# Altium PCB PCB1.PcbDoc (part 2 of 2)
Units mil, origin at the board's own origin, x right, y up, seen from the top; angles counter-clockwise.
Board outline 5910 x 3111 mil, 2 copper layers (Top Layer, Bottom Layer); 174 components, 168 nets, 751 pads, 589 vias.
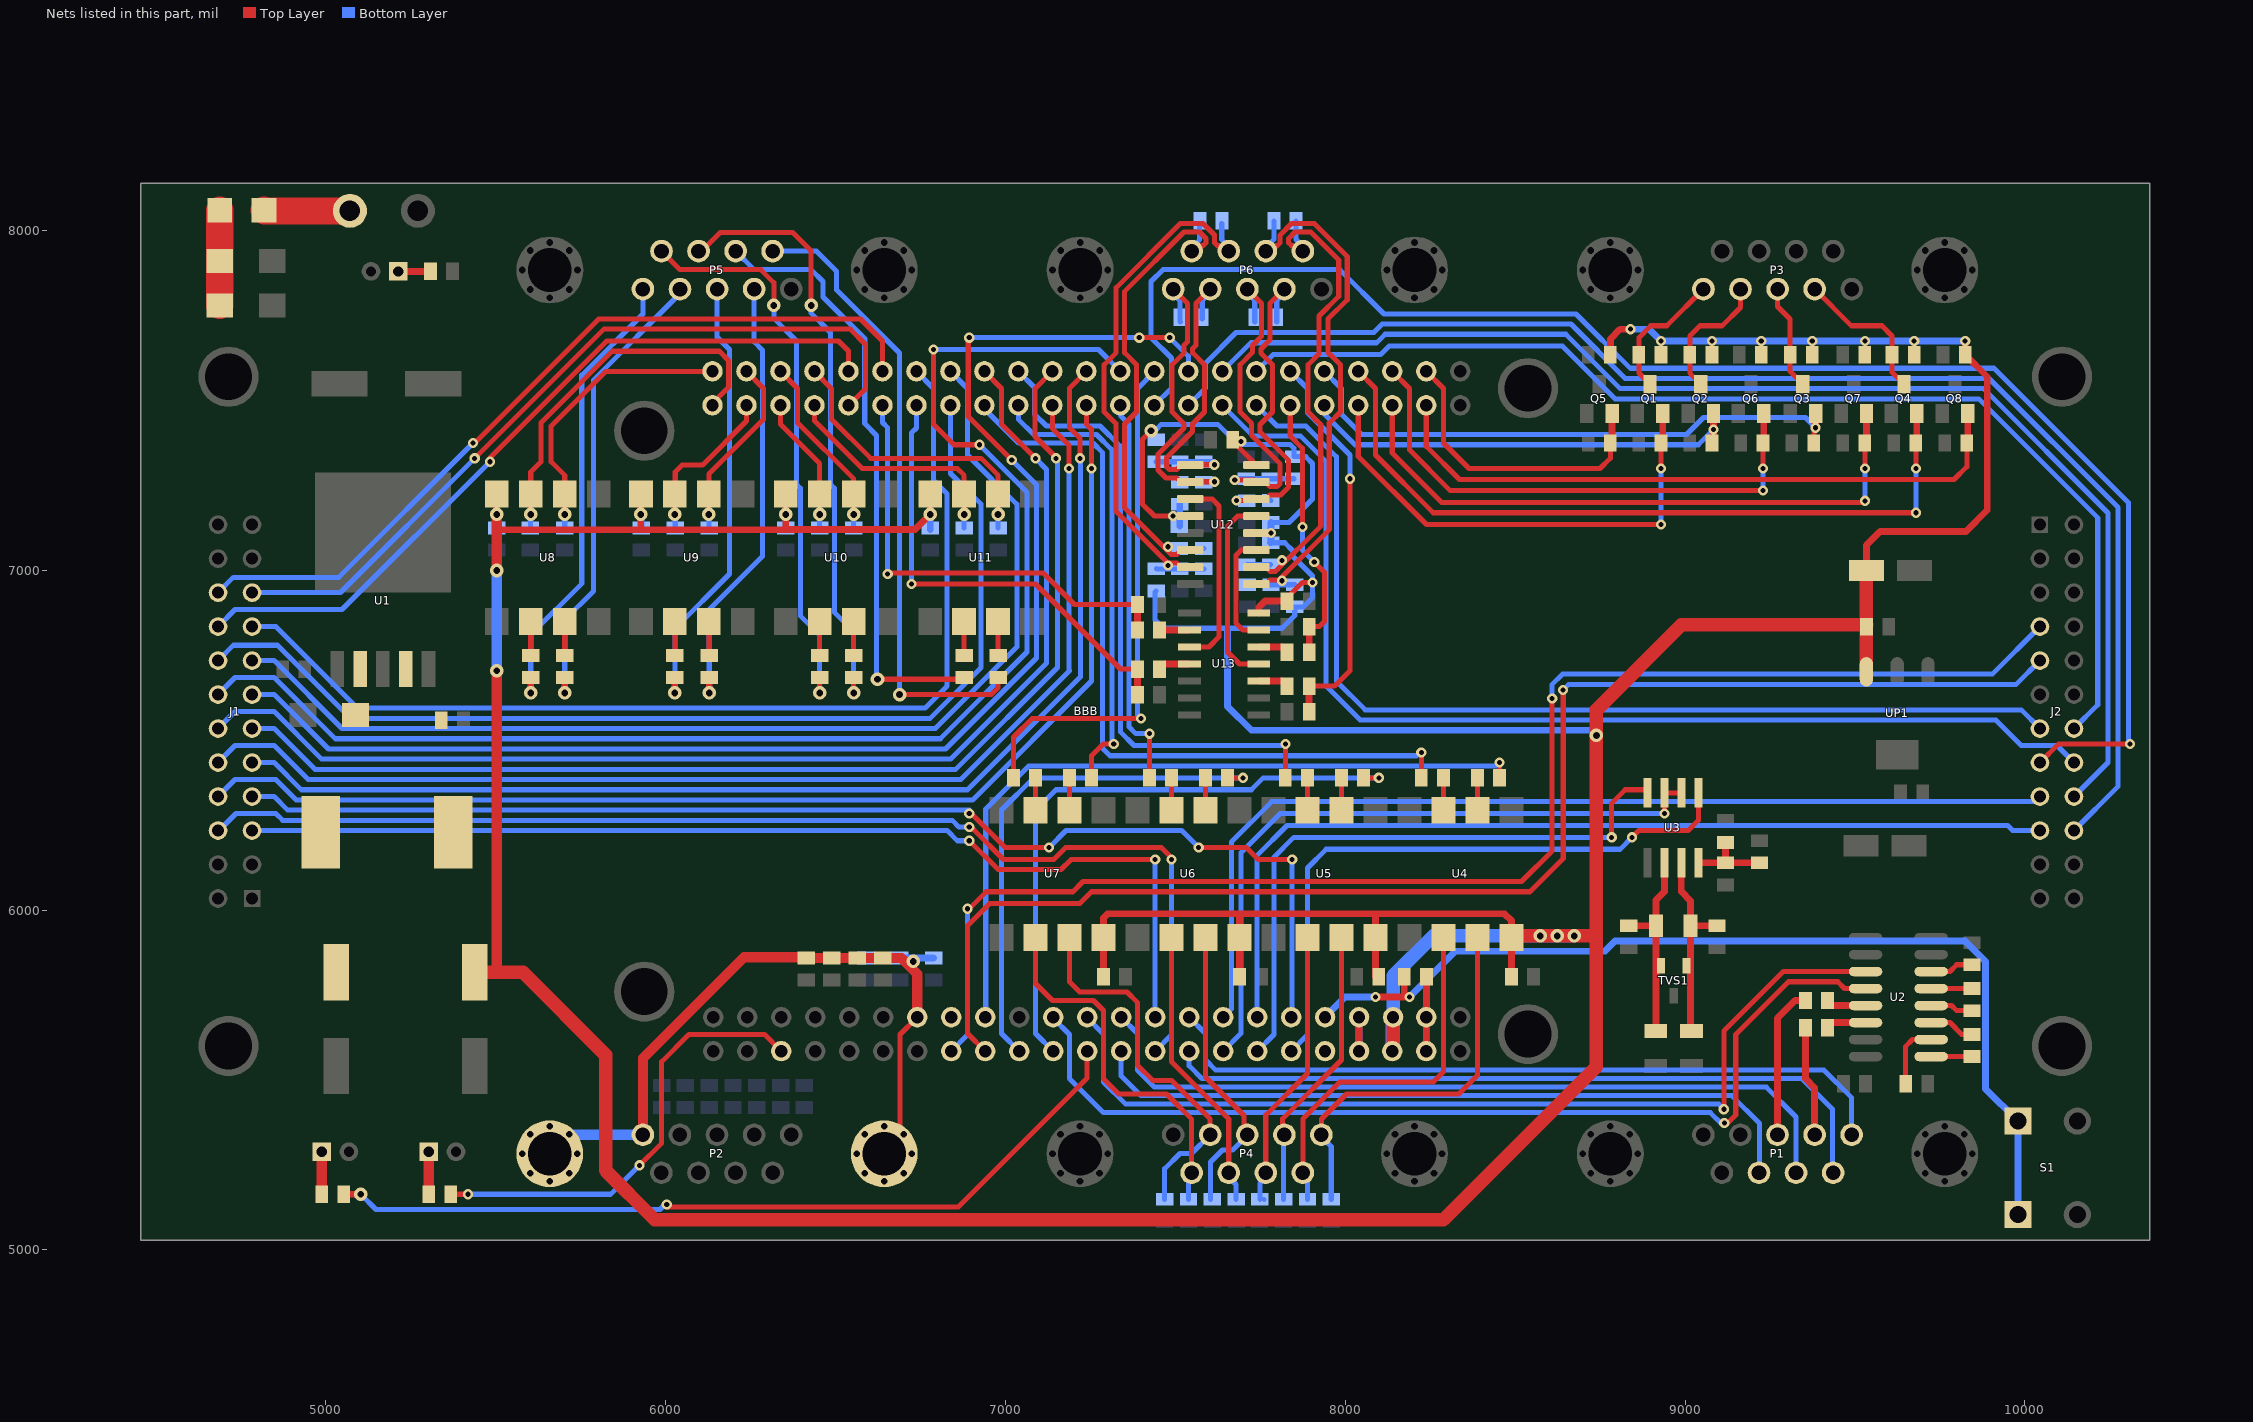
[diagram p2: the nets of this part, all layers, seen from the top]

## Via types
v1: diameter 30, hole 15, Top Layer to Bottom Layer, tented both sides, 549 vias
v2: diameter 40, hole 20, Top Layer to Bottom Layer, tented both sides, 40 vias

## Nets (pads, with @x,y where several pads share a name; then routed paths per layer and width w, separated by ;. In a path a pad name is that pad's centre, name@x,y a point inside that pad or via, vN(x,y) a via of type N, cw(c..) or ccw(c..) an arc to the next point about the centre after c; other vN are vias at no path point) (continued)
ENC1_A_N: C28.2 P6.7 R72.2 R79.2 R80.2 U12.7 | length 1658.4
  Top Layer w15: U12.7@7544,7009 7517.03,7009 7504.53,7021.5 7477.37,7021.5 7325.62,7173.24 7325.62,7430.7 7291,7465.32 7291,7604.68 7326.27,7639.94 7326.27,7830.77 7515.07,8019.58 7581.98,8019.58 7615.56,7986.01 7615.56,7963.22 7624.34,7954.44 7628.01,7954.44 7643.64,7938.81 P6.7@7657.58,7938.81
  Bottom Layer w15: R79.2@7445,7004.04 7445.04,7004 C28.2@7584,7004 ; R72.2@7636.84,8020.35 7636.84,7972.26 7657.58,7951.52 P6.7@7657.58,7938.81
  other v1: 7479,7014
ENC1_A_P: C27.1 P6.6 R72.1 R78.2 U12.6 | length 1468.1
  Top Layer w15: U12.6@7544,7059 7517.03,7059 7504.53,7046.5 7487.72,7046.5 7350.62,7183.6 7350.62,7429.95 7386,7465.32 7386,7604.68 7351.27,7639.41 7351.27,7820.42 7525.43,7994.58 7571.63,7994.58 7590.56,7975.65 7590.56,7963.22 7581.77,7954.44 7578.1,7954.44 7562.47,7938.81 P6.6@7548.53,7938.81
  Bottom Layer w15: R78.2@7512.3,7063.66 7512.63,7064 C27.1@7584,7064 ; P6.6@7548.53,7938.81 7548.53,7948.9 7571.88,7972.26 R72.1@7571.88,8020.35
  other v1: 7479,7069
ENC1_B: U12.3 U13.3 | length 577.7
  Top Layer w15: U13.3@7542,6774 7599,6774 7629,6804 7629,7189 7609,7209 U12.3@7544,7209
ENC1_B_N: C25.1 P6.2 R71.1 R75.2 R76.2 U12.1 | length 1031.3
  Top Layer w15: P6.2@7603.06,7827 7561.03,7784.97 7561.03,7661.76 7551.18,7651.92 7551.18,7639.49 7586,7604.68 7586,7465.32 7550.87,7430.2 7550.87,7407.67 7474.1,7330.91 7474.1,7305.29 7482.89,7296.5 7504.53,7296.5 7517.03,7309 U12.1@7544,7309 7545,7310 v1(7615,7310)
  Bottom Layer w15: R76.2@7444,7319 R75.2@7514,7319 C25.1@7584,7319 7614,7319 7615,7318 v1(7615,7310) ; R71.1@7579.46,7739 7579.46,7792.45 7603.06,7816.04 P6.2@7603.06,7827
ENC1_B_P: C26.2 P6.1 R71.2 R77.2 U12.2 | length 1003.3
  Top Layer w15: P6.1@7494,7827 7536.03,7784.97 7536.03,7672.12 7526.18,7662.27 7526.18,7639.86 7491,7604.68 7491,7465.32 7525.87,7430.45 7525.87,7418.03 7449.1,7341.26 7449.1,7294.93 7472.53,7271.5 7504.53,7271.5 7517.03,7259 U12.2@7544,7259 7545,7260 v1(7615,7260)
  Bottom Layer w15: P6.1@7494,7827 7494,7813.05 7514,7793.05 7514,7731.77 R71.2@7515.5,7730.28 ; R77.2@7513.5,7258.5 7514,7259 C26.2@7584,7259 7585,7260 v1(7615,7260)
ENC2_A: U12.13 U13.11 | length 573.8
  Top Layer w15: U12.13@7738.88,7159 7684,7159 7654,7129 7654,6759 7689,6724 U13.11@7746,6724
ENC2_A_N: C32.1 P6.3 R74.1 R85.2 R86.2 U12.15 | length 1090.5
  Top Layer w15: v1(7675,7265) 7732.88,7265 U12.15@7738.88,7259 7765.85,7259 7778.35,7246.5 7799.99,7246.5 7808.78,7255.29 7808.78,7312.71 7724.35,7397.14 7724.35,7431.97 7691,7465.32 7691,7604.68 7727.17,7640.84 7727.17,7661.29 7754.14,7688.26 7754.14,7784.97 P6.3@7712.11,7827
  Bottom Layer w15: v1(7675,7265) 7679,7269 C32.1@7709,7269 R85.2@7849,7269 ; P6.3@7712.11,7827 7712.11,7814.14 7733.81,7792.45 R74.1@7733.81,7730.28
ENC2_A_P: C31.2 P6.4 R74.2 R84.2 U12.14 | length 1056.4
  Top Layer w15: v1(7680,7205) 7734.88,7205 U12.14@7738.88,7209 7765.85,7209 7778.35,7221.5 7810.35,7221.5 7833.78,7244.93 7833.78,7323.07 7749.35,7407.5 7749.35,7428.71 7758.14,7437.5 ; 7758.18,7437.5 7786,7465.32 7786,7604.68 7752.17,7638.51 7752.17,7650.94 7779.14,7677.91 7779.14,7784.97 P6.4@7821.17,7827
  Bottom Layer w15: v1(7680,7205) 7702.36,7205 7706.36,7209 C31.2@7710.79,7204.57 7780.8,7204.57 R84.2@7781.49,7205.25 ; R74.2@7798.77,7730.28 7798.77,7792.45 7821.17,7814.84 P6.4@7821.17,7827
ENC2_B: U12.11 U13.13 | length 341.4
  Top Layer w15: U12.11@7738.88,7059 7694,7059 7679,7044 7679,6844 7699,6824 U13.13@7746,6824
ENC2_B_N: C29.2 P6.8 R73.2 R82.2 R83.2 U12.9 | length 1702.5
  Top Layer w15: U12.9@7738.88,6959 7765.85,6959 7778.35,6971.5 7805.52,6971.5 7953.16,7119.14 7953.16,7432.48 7986,7465.32 7986,7604.68 7958.18,7632.5 7956.85,7632.5 7949,7640.35 7949,7738.63 8005.99,7795.62 8005.99,7922.74 7909.15,8019.58 7842.24,8019.58 7808.67,7986.01 7808.67,7963.22 7799.88,7954.44 7796.21,7954.44 7780.58,7938.81 P6.8@7766.64,7938.81
  Bottom Layer w15: C29.2@7711.63,6957.01 R83.2@7781.63,6957.01 R82.2@7851.63,6957.01 ; P6.8@7766.64,7938.81 7766.64,7949.63 7790.37,7973.37 R73.2@7790.37,8027.69
  other v1: 7814,6969
ENC2_B_P: C30.1 P6.9 R73.1 R81.2 U12.10 | length 1506.5
  Top Layer w15: U12.10@7738.88,7009 7765.85,7009 7778.35,6996.5 7795.16,6996.5 7928.16,7129.5 7928.16,7428.71 7919.37,7437.5 7918.82,7437.5 7891,7465.32 7891,7604.68 7923.06,7636.74 7923.06,7748.05 7980.99,7805.97 7980.99,7912.38 7898.79,7994.58 7852.59,7994.58 7833.67,7975.65 7833.67,7963.22 7842.45,7954.44 7846.12,7954.44 7861.75,7938.81 P6.9@7875.69,7938.81
  Bottom Layer w15: C30.1@7710.79,7016.11 7780.06,7016.11 R81.2@7780.57,7015.6 ; R73.1@7855.33,8027.69 7855.33,7973.12 7875.69,7952.76 P6.9@7875.69,7938.81
  other v1: 7814,7029
GND_ADC: BBB.9_34 P2.5 P2.10 P2.11 R15.1 R16.1 R17.1 R18.1 R19.1 R20.1 R21.1 | length 2240.3
  Top Layer w15: P2.10@6643.82,5283.09 6690,5329.28 6690,5634 BBB.9_34@6741,5685
  Top Layer w30: P2.5@5933.78,5339 5934,5339.22 5934,5564 6231.17,5861.17 6411.79,5861.17 R16.1@6414,5858.96 R15.1@6489,5858.96 R18.1@6564,5858.96 R20.1@6639,5858.96 ; R20.1@6640.38,5858.96 6694.04,5858.96 6741,5812 BBB.9_34@6741,5685
  Bottom Layer w20: R17.1@6589,5858.96 R21.1@6689,5858.96 R19.1@6789,5858.96
  Bottom Layer w30: P2.11@5659.96,5283.09 5715.87,5339 P2.5@5933.78,5339
  other v2: 6729,5849
"GPIO0_10 (DIO-D5)": BBB.8_31 J1.16 | length 3223.3
  Bottom Layer w15: J1.16@4684,6734 4729,6779 4859,6779 5074,6564 6779,6564 6929,6714 6929,7194 6838.5,7284.5 BBB.8_31@6838.5,7485
"GPIO0_11 (DIO-A5)": BBB.8_32 J1.15 | length 3324.2
  Bottom Layer w15: J1.15@4784,6734 4849,6734 5049,6534 6794,6534 7034,6774 7034,7194 6889,7339 6889,7534.5 BBB.8_32@6838.5,7585
"GPIO0_12 (DIO-A0)": BBB.9_20 J1.5 | length 3181.1
  Top Layer w15: v1(6894,6204) 6979,6119 7164,6119 7194,6149 v1(7441,6149)
  Bottom Layer w15: J1.5@4784,6234 4859,6234 6829,6234 6859,6204 v1(6894,6204) ; BBB.9_20@7441,5685 v1(7441,6149)
"GPIO0_13 (DIO-D0)": BBB.9_19 J1.6 | length 3499.1
  Top Layer w15: v1(6894,6244) 6894,6239.96 6897.46,6236.5 6907.46,6236.5 6994.96,6149 7142.83,6149 7177.83,6184 7459,6184 7489,6154 v1(7489,6149)
  Bottom Layer w15: J1.6@4685.25,6232.75 4736.5,6284 4854,6284 4874,6264 6844,6264 6864,6244 v1(6894,6244) ; BBB.9_19@7441,5585 7489,5633 v1(7489,6149)
"GPIO0_20 (LED2)": BBB.9_41 R97.2 | length 1327.5
  Top Layer w15: R97.2@5368.96,5164 v1(5419,5164) ; v1(5924,5249) 5989,5314 5989,5553.96 6069,5633.96 6292.04,5633.96 BBB.9_41@6341,5585
  Bottom Layer w15: v1(5419,5164) 5839,5164 v1(5924,5249)
"GPIO0_26 (MDIR0)": BBB.8_14 J2.14 | length 3364.3
  Bottom Layer w15: BBB.8_14@7738.5,7585 7787.5,7634 8104,7634 8129,7659 8639,7659 8794,7504 9864,7504 10214,7154 10214,6604 J2.14@10144,6534
"GPIO0_27  (MDIR3)": BBB.8_17 J2.20 | length 4105.1
  Bottom Layer w15: BBB.8_17@7538.5,7485 7589,7535.5 7589,7609 7679,7699 8084,7699 8109,7724 8664,7724 8824,7564 9894,7564 10274,7184 10274,6364 J2.20@10144,6234
"GPIO1_0 (DIO-D2)": BBB.8_25 J1.10 | length 3501.6
  Top Layer w15: BBB.8_25@7138.5,7485 7138.5,7416.5 7187.68,7367.32 v1(7187.68,7299)
  Bottom Layer w15: J1.10@4684,6434 4734,6484 4849,6484 4949,6384 6869,6384 7189,6704 7187.68,6705.32 v1(7187.68,7299)
"GPIO1_1 (DIO-A2)": BBB.8_24 J1.9 | length 3540.8
  Top Layer w15: v1(7220.18,7329) 7220.18,7387.82 7189,7419 7189,7535.5 BBB.8_24@7238.5,7585
  Bottom Layer w15: J1.9@4784,6434 4849,6434 4929,6354 6889,6354 7221.5,6686.5 7221.5,7327.68 v1(7220.18,7329)
GPIO1_2: BBB.8_6 Q6.2 R33.2 | length 1569.4
  Top Layer w15: BBB.8_6@8138.5,7585 8189,7534.5 8189,7354 8309,7234 v1(9229,7234) ; R33.2@9228.92,7374 9229,7373.92 v1(9229,7299)
  Top Layer w20: R33.2@9228.92,7374 9231.36,7376.44 Q6.2@9231.36,7460.69
  Bottom Layer w15: v1(9229,7234) v1(9229,7299)
GPIO1_3: BBB.8_5 Q7.2 R35.2 | length 1852.1
  Top Layer w15: BBB.8_5@8138.5,7485 8138.5,7344.5 8284,7199 9524,7199 v1(9529,7204) ; R35.2@9528.92,7374 9529,7373.92 v1(9529,7299)
  Top Layer w20: R35.2@9528.92,7374 9533.76,7378.84 Q7.2@9533.76,7460.69
  Bottom Layer w15: v1(9529,7204) v1(9529,7299)
"GPIO1_4 (DIO-D1)": BBB.8_23 J1.8 | length 3578
  Top Layer w15: BBB.8_23@7238.5,7485 7238.5,7429 7254,7413.5 v1(7254,7299)
  Bottom Layer w15: J1.8@4684,6334 4734,6384 4854,6384 4914,6324 6904,6324 7254,6674 v1(7254,7299)
"GPIO1_5 (DIO-D4)": BBB.8_22 J1.14 | length 4204.7
  Top Layer w15: v1(6789,7649) 6789,7429 6849,7369 v1(6924,7369)
  Bottom Layer w15: J1.14@4684,6634 4734,6684 4849,6684 5029,6504 6809,6504 7064,6759 7064,7229 v1(6924,7369) ; v1(6789,7649) 7274.5,7649 BBB.8_22@7338.5,7585
GPIO1_6: BBB.8_4 Q5.2 R31.2 | length 900.2
  Top Layer w15: BBB.8_4@8238.5,7585 8289,7534.5 8289,7374 8364,7299 8749.96,7299 8780.18,7329.22 R31.2@8780.18,7374
  Top Layer w20: R31.2@8780.18,7374 8785.18,7379 Q5.2@8785.18,7460.69
GPIO1_7: BBB.8_3 Q8.2 R37.2 | length 1924.8
  Top Layer w15: BBB.8_3@8238.5,7485 8238.5,7364.5 8336.5,7266.5 9791.5,7266.5 9828.92,7303.92 R37.2@9828.92,7374
  Top Layer w20: R37.2@9828.92,7374 9831.36,7376.44 Q8.2@9831.36,7460.69
"GPIO1_14 (MDIR2)": BBB.8_16 J2.18 | length 3744.2
  Bottom Layer w15: BBB.8_16@7638.5,7585 7722.5,7669 8092.72,7669 8117.72,7694 8649,7694 8808,7535 9877.5,7535 10244,7168.5 10244,6434 J2.18@10144,6334
"GPIO1_15 (MDIR1)": BBB.8_15 J2.16 | length 3327.5
  Bottom Layer w15: BBB.8_15@7638.5,7485 7728.34,7395.16 7867.84,7395.16 7944,7319 7944,6659 8044,6559 9914,6559 9989,6484 10094,6484 J2.16@10144,6434
"GPIO1_16 (485_EN)": BBB.9_15 U3.2 U3.3 | length 2009.6
  Top Layer w15: v1(8939,6284) U3.3@8939,6345 U3.2@8989,6345
  Bottom Layer w15: BBB.9_15@7641,5585 7693.5,5637.5 7693.5,6168.5 7809,6284 v1(8939,6284)
GPIO1_17(LED1): BBB.9_23 R96.2 | length 2448.1
  Top Layer w15: v1@6004,5126.5 6861.5,5126.5 7241,5506 BBB.9_23@7241,5585
  Top Layer w20: R96.2@5053.96,5164 v2(5104,5164)
  Bottom Layer w15: v2(5104,5164) 5149,5119 5984,5119 5999,5134 v1(6004,5134)
"GPIO1_28 (DIO-A1)": BBB.9_12 J1.7 | length 3649.4
  Top Layer w15: v1(6894,6284) 6899.96,6284 6936.46,6247.5 6936.46,6247.11 6946.71,6236.85 6947.11,6236.85 6999.96,6184 v1(7129,6184) ; v1(7569,6184) 7709,6184 7744,6149 v1(7844,6149)
  Bottom Layer w15: J1.7@4784,6334 4849,6334 4889,6294 6894,6294 v1(6894,6284) ; v1(7129,6184) 7179,6234 7519,6234 v1(7569,6184) ; BBB.9_12@7841,5685 7844,5688 v1(7844,6149)
"GPIO1_29 (DIO-A3)": BBB.8_26 J1.11 | length 3463.6
  Top Layer w15: BBB.8_26@7138.5,7585 7087.5,7534 7087.5,7393.27 7149,7331.77 v1(7149,7329)
  Bottom Layer w15: J1.11@4784,6534 4849,6534 4969,6414 6854,6414 7154,6714 7154,7324 v1(7149,7329)
"GPIO2_1 (DIO-A4)": BBB.8_18 J1.13 | length 4217.9
  Top Layer w15: v1(6894,7684) 6891,7681 6891,7452 v1(7019,7324) ; v1@7399,7684 v1(7484,7684)
  Bottom Layer w15: J1.13@4784,6634 4849,6634 5009,6474 6824,6474 7091.5,6741.5 7091.5,7251.5 v1(7019,7324) ; v1(6894,7684) v1(7394,7684) ; v1(7484,7684) 7538.5,7629.5 BBB.8_18@7538.5,7585
"GPIO2_14 (DIO-A7)": BBB.8_37 J1.19 | length 2347.5
  Top Layer w15: v1(5439,7329) 5819,7709 6544,7709 6589,7664 6589,7534 6540,7485 BBB.8_37@6538.5,7485
  Bottom Layer w15: J1.19@4784,6929 4789,6934 5044,6934 v1(5439,7329)
"GPIO2_15 (DIO-D6)": BBB.8_38 J1.18 | length 2283.8
  Top Layer w15: v1(5484,7319) 5484,7330.39 5827.61,7674 6509,7674 6538.5,7644.5 BBB.8_38@6538.5,7585
  Bottom Layer w15: J1.18@4689,6829 4689,6839 4734,6884 5049,6884 v1(5484,7319)
"GPIO2_16 (DIO-D7)": BBB.8_36 J1.20 | length 2395.6
  Top Layer w15: v1@5441.5,7376.5 5804,7739 6574,7739 6638.5,7674.5 BBB.8_36@6638.5,7585
  Bottom Layer w15: J1.20@4684,6934 4729,6979 5039,6979 v1(5434,7374)
"GPIO2_17 (DIO-A6)": BBB.8_34 J1.17 | length 3134.8
  Bottom Layer w15: J1.17@4784,6834 4854,6834 5094,6594 6764,6594 6829,6659 6829,7224 6789,7264 6789,7534.5 BBB.8_34@6738.5,7585
"GPIO2_25 (DIO-D3)": BBB.8_30 J1.12 | length 3567.5
  Top Layer w15: BBB.8_30@6938.5,7585 6989,7534.5 6989,7429 v1(7089,7329)
  Bottom Layer w15: J1.12@4684,6534 4734,6584 4849,6584 4989,6444 6839,6444 7121.5,6726.5 7121.5,7296.5 v1(7089,7329)
HS_IN0: P5.1 R55.1 | length 1369.7
  Top Layer w20: v2(5604,6639) R55.1@5604,6684.04
  Bottom Layer w15: v2(5604,6639) 5604,6810.39 5754,6960.39 5754,7573.3 5934,7753.3 P5.1@5934,7827
HS_IN1: P5.2 R56.1 | length 1373.5
  Top Layer w20: v2(5704,6639) R56.1@5704,6684.04
  Bottom Layer w15: v2(5704,6639) 5704,6854 5789,6939 5789,7560 6043.06,7814.06 P5.2@6043.06,7827
HS_IN2: P5.3 R57.1 | length 1315.1
  Top Layer w20: v2(6027.83,6639) R57.1@6027.83,6684.04
  Bottom Layer w15: v2(6027.83,6639) 6027.83,6827.83 6189,6989 6189,7649 6152.11,7685.89 P5.3@6152.11,7827
HS_IN3: P5.4 R58.1 | length 1308.4
  Top Layer w20: v2(6129,6639) R58.1@6129,6684.04
  Bottom Layer w15: v2(6129,6639) 6129,6884 6286,7041 6286,7647 6261.17,7671.83 P5.4@6261.17,7827
HS_IN4: P5.6 R59.1 | length 1676.6
  Top Layer w15: P5.6@5988.53,7938.81 6043.34,7884 6280.47,7884 6319,7845.47 v2(6319,7779) ; v2(6454,6639) R59.1@6454,6684.04
  Bottom Layer w15: v2(6319,7779) 6319,7741 6386,7674 6386,7252 6397.09,7240.91 6397.09,6865.91 6454,6809 v2(6454,6639)
HS_IN5: P5.7 R60.1 | length 1773.9
  Top Layer w15: P5.7@6097.58,7938.81 6107.08,7938.81 6162.27,7994 6374,7994 6429,7939 v2(6429,7779) ; v2(6554,6639) R60.1@6554,6684.04
  Bottom Layer w15: v2(6429,7779) 6429,7756 6486,7699 6486,7252 6497.09,7240.91 6497.09,6875.91 6554,6819 v2(6554,6639)
HS_IN6: P5.8 R61.1 | length 1787.9
  Top Layer w15: v2(6624,6679) 6873.96,6679 R61.1@6879,6684.04
  Bottom Layer w15: P5.8@6206.64,7938.81 6261.45,7884 6429,7884 6464,7849 6464,7804 6586.47,7681.53 6586.47,7431.53 6621.5,7396.5 6621.5,6681.5 v2(6624,6679)
HS_IN7: P5.9 R62.1 | length 1863
  Top Layer w15: v2(6689,6634) 6959,6634 6979,6654 R62.1@6979,6684.04
  Bottom Layer w15: P5.9@6315.69,7938.81 6444.19,7938.81 6504,7879 6504,7824 6689,7639 v2(6689,6634)
HS_OUT0: P4.1 R41.1 U4.7 | length 1165.5
  Top Layer w15: P4.1@7930,5339 7930,5385 8004,5459 8334,5459 8389,5514 U4.7@8389,5919
  Bottom Layer w15: P4.1@7930,5339 7930,5333.45 7959,5304.45 R41.1@7959,5148.96
HS_OUT1: P4.2 R45.1 U5.7 | length 844.6
  Top Layer w15: P4.2@7820.94,5339 7815.98,5343.96 7815.98,5385.98 7989,5559 U5.7@7989,5919
  Bottom Layer w15: R45.1@7819,5148.96 7819,5337.06 P4.2@7820.94,5339
HS_OUT2: P4.3 R49.1 U6.7 | length 883.2
  Top Layer w15: U6.7@7589,5919 7589,5509 7702.03,5395.97 7702.03,5348.86 P4.3@7711.89,5339
  Bottom Layer w15: R49.1@7604,5149 7604,5259 7639,5294 7669,5294 7711.89,5336.89 P4.3@7711.89,5339
HS_OUT3: P4.4 R53.1 U7.7 | length 1130.4
  Top Layer w15: U7.7@7189,5919 7189,5789 7219,5759 7358.06,5759 7388.5,5728.56 7388.5,5544.5 7434,5499 7489,5499 7602.83,5385.17 P4.4@7602.83,5339
  Bottom Layer w15: R53.1@7469,5148.96 7469,5239 7514,5284 7547.83,5284 P4.4@7602.83,5339
HS_OUT4: P4.6 R42.1 U4.6 | length 1108
  Top Layer w15: P4.6@7875.47,5227.19 7875.47,5385.47 7984,5494 8259,5494 8289,5524 U4.6@8289,5919
  Bottom Layer w15: P4.6@7875.47,5227.19 7875.47,5213.24 7889,5199.72 R42.1@7889,5148.96
HS_OUT5: P4.7 R46.1 U5.6 | length 828.4
  Top Layer w15: P4.7@7766.42,5227.19 7766.42,5396.42 7889,5519 U5.6@7889,5919
  Bottom Layer w15: R46.1@7749,5148.96 7749,5195.83 7766.42,5213.24 P4.7@7766.42,5227.19 ; R46.1@7761.17,5148.56 R46.1@7761.42,5148.81
HS_OUT6: P4.8 R50.1 U6.6 | length 850.2
  Top Layer w15: U6.6@7489,5919 7489,5554 7657.36,5385.64 P4.8@7657.36,5227.19
  Bottom Layer w15: P4.8@7656.36,5226.19 P4.8@7657.36,5227.19 7657.36,5214.27 7679,5192.63 R50.1@7679,5148.96
HS_OUT7: P4.9 R54.1 U7.6 | length 1117.5
  Top Layer w15: U7.6@7089,5919 7089,5784 7139,5734 7259.18,5734 7289,5704.18 7289,5504 7334,5459 7474,5459 7548.31,5384.69 P4.9@7548.31,5227.19
  Bottom Layer w15: R54.1@7539,5148.96 7539,5217.88 P4.9@7548.31,5227.19 P4.9@7549,5226.5
NetC6_1: C6.1 U2.5 | length 110
  Top Layer w15: U2.5@9733.96,5769 C6.1@9843.96,5769
NetC6_2: C6.2 U2.4 | length 126.2
  Top Layer w15: U2.4@9723.96,5719 9784,5719 9799,5704 9843.92,5704 C6.2@9843.96,5704.04
NetC7_1: C7.1 U2.3 | length 154.4
  Top Layer w15: U2.3@9723.96,5669 9779,5669 9814.04,5633.96 C7.1@9843.96,5633.96 C7.1@9824.04,5633.96
NetC7_2: C7.2 U2.1 | length 110
  Top Layer w15: U2.1@9733.96,5569 C7.2@9843.96,5569
NetC8_1: C8.1 U2.6 | length 128.3
  Top Layer w15: U2.6@9723.96,5819 9779,5819 9799,5839 C8.1@9843.96,5839
NetC9_1: C9.1 U2.2 | length 193.2
  Top Layer w15: C9.1@9649,5489 9649,5599 9669,5619 U2.2@9723.96,5619
NetC15_2: C15.2 C16.2 R22.2 U3.8 | length 240.1
  Top Layer w20: U3.8@9039,6139 C15.2@9119,6138.96 ; C16.2@9119,6199.04 C15.2@9119,6138.96 ; R22.2@9219,6139 C15.2@9119,6138.96
NetD1_1: D1.1 D2.1 F1.1 | length 280
  Top Layer w80: D2.1@4689.08,7779 F1.1@4689.08,8059
NetD3_2: D3.2 L1.1 U1.2
NetF1_2: F1.2 T1.2 | length 253.8
  Top Layer w80: F1.2@4819,8059 4821,8057 T1.2@5072,8057
NetLED0_1: LED0.1 R95.1 | length 95
  Top Layer w20: LED0.1@5214,7879 R95.1@5309,7879
NetLED1_1: LED1.1 R96.1 | length 125
  Top Layer w30: R96.1@4989,5164 LED1.1@4989,5289
NetLED2_1: LED2.1 R97.1 | length 125
  Top Layer w30: R97.1@5304,5164 LED2.1@5304,5289
NetR1_2: R1.2 U2.13 | length 118.3
  Top Layer w20: R1.2@9418.96,5734 9433.96,5719 U2.13@9531.05,5719
NetR2_2: R2.2 U2.14 | length 118.3
  Top Layer w20: R2.2@9418.96,5654 9433.96,5669 U2.14@9531.05,5669
NetR3_2: R3.2 R4.1 R6.2 TVS1.2 U3.6 | length 585.4
  Top Layer w20: R3.2@8834,5954.08 8834.08,5954 R4.1@8914,5954 ; R6.2@8914,5644 R4.1@8914,5954 ; U3.6@8939,6139 8939,6054 8914,6029 R4.1@8914,5954
NetR4_2: R4.2 R5.1 R7.2 TVS1.1 U3.7 | length 585.3
  Top Layer w15: R7.2@9016.2,5646.8 R7.2@9019,5644
  Top Layer w20: U3.7@8989,6139 8989,6054 9016.2,6026.8 R4.2@9016.2,5954 ; R7.2@9016.2,5646.8 R4.2@9016.2,5954 ; R5.1@9094,5954.08 9016.28,5954.08 R4.2@9016.2,5954
NetR39_2: R39.2 U4.2 | length 95.3
  Top Layer w15: U4.2@8389,6293.72 R39.2@8389,6389
NetR40_2: R40.2 U4.3 | length 95.3
  Top Layer w15: U4.3@8289,6293.72 R40.2@8289,6389
NetR43_2: R43.2 U5.2 | length 95.3
  Top Layer w15: U5.2@7989,6293.72 R43.2@7989,6389
NetR44_2: R44.2 U5.3 | length 95.3
  Top Layer w15: U5.3@7889,6293.72 R44.2@7889,6389
NetR47_2: R47.2 U6.2 | length 95.3
  Top Layer w15: U6.2@7589,6293.72 R47.2@7589,6389
NetR48_2: R48.2 U6.3 | length 95.3
  Top Layer w15: U6.3@7489,6293.72 R48.2@7489,6389
NetR51_2: R51.2 U7.2 | length 95.3
  Top Layer w15: U7.2@7189,6293.72 R51.2@7189,6389
NetR52_2: R52.2 U7.3 | length 95.3
  Top Layer w15: U7.3@7089,6293.72 R52.2@7089,6389
NetR55_2: R55.2 U8.2 | length 100.3
  Top Layer w15: R55.2@5604,6749 U8.2@5604,6849.28
NetR56_2: R56.2 U8.3 | length 100.3
  Top Layer w15: R56.2@5704,6749 U8.3@5704,6849.28
NetR57_2: R57.2 U9.2 | length 100.3
  Top Layer w15: R57.2@6027.83,6749 U9.2@6027.83,6849.28
NetR58_2: R58.2 U9.3 | length 100.8
  Top Layer w15: U9.3@6127.83,6849.28 6129,6848.11 R58.2@6129,6749
NetR59_2: R59.2 U10.2 | length 100.3
  Top Layer w15: R59.2@6454,6749 U10.2@6454,6849.28
NetR60_2: R60.2 U10.3 | length 100.3
  Top Layer w15: R60.2@6554,6749 U10.3@6554,6849.28
NetR61_2: R61.2 U11.2 | length 100.3
  Top Layer w15: R61.2@6879,6749 U11.2@6879,6849.28
NetR62_2: R62.2 U11.3 | length 100.3
  Top Layer w15: R62.2@6979,6749 U11.3@6979,6849.28
NetR87_1: R87.1 U13.2 | length 88
  Top Layer w20: R87.1@7454,6824 U13.2@7542,6824
NetR88_1: R88.1 U13.4 | length 94.2
  Top Layer w20: R88.1@7454,6709 7469,6724 U13.4@7542,6724
NetR89_1: R89.1 U13.10 | length 89.2
  Top Layer w20: U13.10@7746,6674 7814,6674 R89.1@7829,6659
NetR90_1: R90.1 U13.12 | length 89.2
  Top Layer w20: U13.12@7746,6774 7814,6774 R90.1@7829,6759
PRU0_R30OUT_2: BBB.9_30 R39.1 | length 2229.1
  Top Layer w15: R39.1@8453.96,6389 R39.1@8453.96,6389 v1(8454,6434)
  Bottom Layer w15: BBB.9_30@6941,5685 6942.62,5686.62 6942.62,6297.62 7069,6424 8449,6424 8454,6429 v1(8454,6434)
PRU0_R30OUT_5: BBB.9_25 R43.1 | length 1824.9
  Top Layer w15: R43.1@8053.96,6389 v1(8099,6389)
  Bottom Layer w15: BBB.9_25@7141,5585 7089,5637 7089,6294 7149,6354 7724,6354 7759,6389 v1(8099,6389)
PRU0_R30OUT_7: BBB.9_27 R47.1 | length 1525.2
  Top Layer w15: R47.1@7653.96,6389 v1(7699,6389)
  Bottom Layer w15: BBB.9_27@7041,5585 6989,5637 6989,6294.5 7083.5,6389 v1(7699,6389)
PRU1_R30OUT_8: BBB.8_27 R51.1 | length 1365.8
  Top Layer w15: R51.1@7253.96,6389 7253.96,6453.96 7289,6489 ; 7289,6488.96 7289.04,6489 v1(7319,6489)
  Bottom Layer w15: BBB.8_27@7038.5,7485 7038.5,7444 7083.5,7399 7268.64,7399 7313.5,7354.14 7313.5,6493.5 7318,6489 v1(7319,6489)
PRU1_R30OUT_9: BBB.8_29 R40.1 | length 2307.6
  Top Layer w15: v1(8224,6464) R40.1@8224.04,6389 R40.1@8224.04,6389
  Bottom Layer w15: BBB.8_29@6938.5,7485 6938.5,7474.5 7039,7374 7258.29,7374 7286.5,7345.79 7286.5,6475.54 7308.04,6454 8209.94,6454 8219.94,6464 v1(8224,6464)
PRU1_R30OUT_10: BBB.8_28 R44.1 | length 1881.7
  Top Layer w15: v1(7824,6489) v1(7824,6489) R44.1@7824.04,6389
  Bottom Layer w15: BBB.8_28@7038.5,7585 7086,7537.5 7086,7459 7121,7424 7279,7424 7338.5,7364.5 7338.5,6524.5 7379,6484 7814.94,6484 7819.94,6489 v1(7824,6489)
PRU1_R30OUT_12: BBB.8_21 R48.1 | length 1124.9
  Top Layer w15: v1(7424,6519) R48.1@7424.04,6389 R48.1@7424.04,6389
  Bottom Layer w15: 7338.5,7455 7364,7429.5 7364,6539 7384,6519 v1(7424,6519)
PRU1_R30OUT_13: BBB.8_20 R52.1 | length 1558.8
  Top Layer w15: R52.1@7024.04,6389 7024.04,6509.04 7079,6564 v1(7399,6564)
  Bottom Layer w15: v1@7389,6564 7389,7534 BBB.8_20@7439.25,7584.25
PRU1_R31IN_0: BBB.8_45 R63.1 U8.7 | length 1124.8
  Top Layer w15: v2(5604,7164) U8.7@5604,7224 5604,7289 5634,7319 5634,7434 5844,7644 6159,7644 6186,7617 6186,7538.5 6138.5,7491 BBB.8_45@6138.5,7485
  Bottom Layer w15: R63.1@5602.83,7124 5602.83,7162.83 v2(5604,7164)
PRU1_R31IN_1: BBB.8_46 R64.1 U8.6 | length 857.8
  Top Layer w15: v2(5704,7164) U8.6@5704,7224 5704,7279 5664,7319 5664,7424 5825,7585 BBB.8_46@6138.5,7585
  Bottom Layer w15: R64.1@5704,7124 v2(5704,7164)
PRU1_R31IN_2: BBB.8_43 R65.1 U9.7 | length 483.9
  Top Layer w15: v2(6027.83,7164) U9.7@6027.83,7224 6029,7225.17 6029,7289 6049,7309 6109,7309 6238.5,7438.5 BBB.8_43@6238.5,7485
  Bottom Layer w15: v2(6027.83,7164) 6029,7162.83 R65.1@6029,7124
PRU1_R31IN_3: BBB.8_44 R66.1 U9.6 | length 549.2
  Top Layer w15: v2(6127.83,7164) U9.6@6127.83,7224 6127.83,7282.83 6289,7444 6289,7534.5 BBB.8_44@6238.5,7585
  Bottom Layer w15: v2(6127.83,7164) 6127.83,7125.17 R66.1@6129,7124
PRU1_R31IN_4: BBB.8_41 R67.1 U10.7 | length 408.8
  Top Layer w15: BBB.8_41@6338.5,7485 6338.5,7429.5 6454,7314 U10.7@6454,7224 v2(6454,7164)
  Bottom Layer w15: R67.1@6454,7124 v2(6454,7164)
PRU1_R31IN_5: BBB.8_42 R68.1 U10.6 | length 550.3
  Top Layer w15: BBB.8_42@6338.5,7585 6389,7534.5 6389,7434 6554,7269 U10.6@6554,7224 v2(6554,7164)
  Bottom Layer w15: R68.1@6554,7124 v2(6554,7164)
PRU1_R31IN_6: BBB.8_39 R69.1 U11.7 | length 707.5
  Top Layer w15: BBB.8_39@6438.5,7485 6438.5,7439.5 6579,7299 6859,7299 6879,7279 U11.7@6879,7224 v2(6879,7164)
  Bottom Layer w15: R69.1@6879,7124 v2(6879,7164)
PRU1_R31IN_7: BBB.8_40 R70.1 U11.6 | length 875.3
  Top Layer w15: BBB.8_40@6438.5,7585 6438.5,7584.5 6489,7534 6489,7444 6604,7329 6929,7329 6979,7279 U11.6@6979,7224 v2(6979,7164)
  Bottom Layer w15: R70.1@6979,7124 v2(6979,7164)
Pulse_1: P3.1 Q1.3 R24.2 | length 399.4
  Top Layer w15: Q1.3@8896.64,7547.31 8864.04,7579.91 R24.2@8864.04,7634 8864.04,7684 8899.04,7719 8946,7719 P3.1@9054,7827
Pulse_2: P3.2 Q2.3 R26.2 | length 392.9
  Top Layer w15: Q2.3@9046.32,7547.31 9013.96,7579.67 R26.2@9013.96,7634 9013.96,7688.96 9044,7719 9109,7719 9163.06,7773.06 P3.2@9163.06,7827
Pulse_3: P3.3 Q3.3 R28.2 | length 310.5
  Top Layer w15: P3.3@9272.11,7827 9272.11,7775.89 9309,7739 R28.2@9309,7634 9309,7584.87 Q3.3@9346.56,7547.31
Pulse_4: P3.4 Q4.3 R30.2 | length 441.2
  Top Layer w15: P3.4@9381.17,7827 9489.17,7719 9579,7719 9609,7689 R30.2@9609,7634 9609,7582.27 Q4.3@9643.96,7547.31
PWM0A: BBB.9_31 J2.7 | length 4210.5
  Top Layer w15: v1(6889,6004) 6894,6004 6944,6054 7199,6054 7229,6084 8519,6084 8609,6174 v1(8609,6622.43)
  Bottom Layer w15: BBB.9_31@6841,5585 6889,5633 v1(6889,6004) ; v1@8608.06,6637.08 8608.06,6663.06 8639,6694 9904,6694 J2.7@10044,6834
PWM0B: BBB.9_29 J2.9 | length 4160.2
  Top Layer w15: BBB.9_29@6941,5585 6889,5637 6889,5954 6954,6019 7219,6019 7254,6054 8544,6054 8641.5,6151.5 8641.5,6646.5 v1(8640.72,6647.28)
  Bottom Layer w15: v1(8640.72,6647.28) 8657.43,6664 9974,6664 J2.9@10044,6734
PWM1A: BBB.9_14 J2.19 | length 2821.7
  Bottom Layer w15: BBB.9_14@7741,5685 7741,6161 7829,6249 9949,6249 9964,6234 J2.19@10044,6234
PWM1B: BBB.9_16 J2.17 | length 2959.4
  Bottom Layer w15: BBB.9_16@7641,5685 7665,5709 7665,6200 7784,6319 10029,6319 J2.17@10044,6334
PWM2A: BBB.8_19 J2.15 | length 4582.9
  Top Layer w15: J2.15@10044,6434 10099,6489 v1(10309,6489)
  Bottom Layer w15: BBB.8_19@7438.5,7485 7489,7535.5 7489,7624 7429,7684 7429,7849 7464,7884 7984,7884 8114,7754 8679,7754 8839,7594 9909,7594 10304,7199 10304,6494 v1(10309,6489)
PWM2B: BBB.8_13 J2.13 | length 3086
  Bottom Layer w15: BBB.8_13@7738.5,7485 7799.5,7424 7884,7424 7974,7334 7974,6674 8059,6589 9989,6589 J2.13@10044,6534
PWR_BUTTON: BBB.9_9
QEP1_A: BBB.8_35 R87.2 R94.1 | length 1351.8
  Top Layer w15: v1(6654,6989) 6656.5,6991.5 7111.5,6991.5 7204,6899 R94.1@7389,6899
  Top Layer w20: R94.1@7389,6899 R87.2@7389.04,6824 R87.2@7389.04,6824
  Bottom Layer w15: BBB.8_35@6638.5,7485 6638.5,7434.5 6654,7419 v1(6654,6989)
QEP1_B: BBB.8_33 R88.2 R93.1 | length 1375.6
  Top Layer w15: v1(6724,6959) 7089,6959 7339,6709 R88.2@7389.04,6709
  Top Layer w20: R93.1@7389.04,6634 R88.2@7389.04,6709
  Bottom Layer w15: v1(6724,6959) 6724,7404 6738.5,7418.5 BBB.8_33@6738.5,7485
QEP2_A: BBB.8_12 R89.2 R92.1 | length 1167.4
  Top Layer w15: R89.2@7893.96,6659 7968.96,6659 8014,6704.04 v1(8014,7269)
  Top Layer w20: R89.2@7893.96,6659 R92.1@7894,6584 R92.1@7894,6584
  Bottom Layer w15: BBB.8_12@7838.5,7585 7889,7534.5 7889,7464 8014,7339 v1(8014,7269)
QEP2_B: BBB.8_11 R90.2 R91.1 | length 803.9
  Top Layer w15: BBB.8_11@7838.5,7485 7838.5,7394.5 7874,7359 v1(7874,7126.72) ; R91.1@7894,6834 7924,6834 7939,6849 7939,6994 v1(7909,7024)
  Top Layer w20: R90.2@7893.96,6759 R90.2@7893.96,6759 R91.1@7894,6834
  Bottom Layer w15: 7873.96,7059.04 v1(7909,7024) ; 7874,7059.04 v1(7874,7126.72)
RX1: P1.3 R1.1 | length 441.6
  Top Layer w20: P1.3@9271.89,5339 9271.89,5676.89 ; 9271.89,5681.89 9324,5734 R1.1@9354,5734
SPI0_CS0: BBB.9_17 P1.6 | length 2175.9
  Bottom Layer w15: BBB.9_17@7541,5585 7541,5542 7579.08,5503.92 8592.3,5503.92 8592.38,5504 9344,5504 9434,5414 P1.6@9434,5227.19
SPI0_D0: BBB.9_21 P1.8 | length 2154.2
  Bottom Layer w15: BBB.9_21@7341,5585 7341,5512 7399.08,5453.92 8613.01,5453.92 8613.09,5454 9137.58,5454 9219,5372.58 P1.8@9219,5227.19
SPI0_D1: BBB.9_18 P1.1 | length 2201.5
  Bottom Layer w15: BBB.9_18@7541,5685 7589,5637 7589,5559 7619.08,5528.92 8581.94,5528.92 8582.02,5529 9409,5529 9489,5449 P1.1@9489,5339
SPI0_SCLK: BBB.9_22 P1.7 | length 2334.7
  Bottom Layer w15: BBB.9_22@7341,5685 7389,5637 7389,5529 7439.08,5478.92 8602.65,5478.92 8602.73,5479 9239,5479 9326.42,5391.58 P1.7@9326.42,5227.19
SYS_5V: BBB.9_7 BBB.9_8 | length 200
  Top Layer w20: BBB.9_7@8041,5585 BBB.9_8@8041,5685
  Bottom Layer w20: BBB.9_7@8041,5585 BBB.9_8@8041,5685
SYS_RESET: BBB.9_10 R98.1 S1.1 | length 2885
  Top Layer w20: v1(8089,5744) 8174,5744 R98.1@8174,5804
  Bottom Layer w20: BBB.9_10@7941,5685 8000,5744 v1@8084,5744 ; v1(8189,5744) 8324,5879 8764,5879 8794,5909 9824,5909 9884,5849 9884,5474 S1.1@9979,5379 S1.1@9979,5104
TIMER4: BBB.8_7 Q1.2 R23.2 | length 1452.8
  Top Layer w15: BBB.8_7@8038.5,7485 8038.5,7334.5 8239,7134 v1(8929,7134) ; v1(8929,7299) R23.2@8929,7374
  Top Layer w20: R23.2@8929,7374 8934.04,7379.04 Q1.2@8934.04,7460.69
  Bottom Layer w15: v1(8929,7134) v1(8929,7299)
TIMER5: BBB.8_9 Q2.2 R25.2 | length 1315.8
  Top Layer w20: R25.2@9078.92,7374 9083.72,7378.8 Q2.2@9083.72,7460.69
  Bottom Layer w15: BBB.8_9@7938.5,7485 7938.5,7459.5 8029,7369 9039,7369 v1(9084,7414)
TIMER6: BBB.8_10 Q3.2 R27.2 | length 1688.6
  Top Layer w15: R27.2@9378.92,7374 9378.92,7413.96 v1(9383.96,7419)
  Top Layer w20: v1(9383.96,7419) Q3.2@9383.96,7460.69
  Bottom Layer w15: BBB.8_10@7938.5,7585 7989,7534.5 7989,7459 8049,7399 9004,7399 9054,7449 9353.96,7449 v1(9383.96,7419)
TIMER7: BBB.8_8 Q4.2 R29.2 | length 2220.1
  Top Layer w15: BBB.8_8@8038.5,7585 8089,7534.5 8089,7339 8259,7169 v1(9679,7169) ; R29.2@9678.92,7374 9679,7373.92 v1(9679,7299)
  Top Layer w20: R29.2@9678.92,7374 9681.36,7376.44 Q4.2@9681.36,7460.69
  Bottom Layer w15: v1(9679,7169) v1(9679,7299)
TX1: P1.2 R2.1 | length 321.2
  Top Layer w20: 9354,5504 9380.94,5477.06 P1.2@9380.94,5339 ; 9354,5509 R2.1@9354,5654
UART1_RXD: BBB.9_26 U2.12 | length 2936.2
  Top Layer w15: v1@9109,5376.96 v1@9111.04,5379 ; v1(9115.43,5374) 9115.43,5374.61 v1@9111.04,5379 ; U2.12@9531.05,5769 9469,5769 9449,5789 9304,5789 9149,5634 9149,5396.96 9121.04,5369 v1@9111.04,5379
  Bottom Layer w15: BBB.9_26@7141,5685 7141,5682 7189,5634 7189,5504 7289.08,5403.92 8633.72,5403.92 8633.8,5404 9074,5404 9104,5374 v1(9115.43,5374)
UART1_TXD: BBB.9_24 U2.11 | length 2789.7
  Top Layer w15: v1@9114.77,5414.77 v1(9114,5414) 9114,5644 9289,5819 U2.11@9531.05,5819
  Bottom Layer w15: BBB.9_24@7241,5685 7241,5683 7289,5635 7289,5494 7354.08,5428.92 8623.36,5428.92 8623.44,5429 9099,5429 v1(9114,5414)
UART4_RXD: BBB.9_11 U3.1 | length 1847.9
  Top Layer w15: v1(8844,6214) 8864,6234 9009,6234 9039,6264 U3.1@9039,6345
  Bottom Layer w15: BBB.9_11@7841,5585 7889,5633 7889,6124 7944,6179 8809,6179 v1(8844,6214)
UART4_TXD: BBB.9_13 U3.4 | length 1834.2
  Top Layer w15: v1(8784,6214) 8784,6314 8824,6354 8880,6354 U3.4@8889,6345
  Bottom Layer w15: BBB.9_13@7741,5585 7741.37,5585 7790.37,5634 7790.37,6155.37 7849,6214 v1(8784,6214)
VDD_3V3: BBB.9_3 BBB.9_4 R98.2 | length 319.2
  Top Layer w20: BBB.9_3@8238.5,5585 BBB.9_4@8238.5,5685 8238.96,5685.46 R98.2@8238.96,5804
  Bottom Layer w20: BBB.9_3@8238.5,5585 BBB.9_4@8238.5,5685
VDD_5V: BBB.9_5 BBB.9_6 C3.2 C4.2 C5.1 C11.2 C12.1 C17.2 C18.2 C19.2 C20.2 C21.2 C22.2 C23.2 C24.2 C33.2 C34.2 L1.2 R24.1 R26.1 R28.1 R30.1 R32.1 R34.1 R36.1 R38.1 R76.1 R77.1 R78.1 R79.1 R81.1 R82.1 R84.1 R85.1 U1.4 U4.8 U5.8 U6.8 U7.8 U8.8 U9.8 U10.8 U11.8 U12.4 U12.12 U12.16 U13.14 UP1.3 | length 18425.4
  Top Layer w15: v2(7429,7410) 7404,7385 7404,7194 7439,7159 U12.4@7544,7159 ; C33.2@7669,7384 7669,7378.88 U12.16@7738.88,7309 ; C34.2@7829.04,6909 7829.04,6919.04 7874,6964 v1(7904,6964)
  Top Layer w20: C3.2@5439,5816.8 5504,5816.8 ; 5504,7119 5927.83,7119 ; v2(5504,7164) U8.8@5504,7224 ; U9.8@5927.83,7224 v2(5927.83,7164) 5927.83,7119 ; 6354,7119 5927.83,7119 ; U10.8@6354,7224 v2(6354,7164) 6354,7120.03 6735.03,7120.03 v2(6779,7164) U11.8@6779,7224 ; C20.2@7289,5804 U7.8@7289,5919 7289,5977.28 7300.72,5989 7689,5989 ; C19.2@7689,5804 U6.8@7689,5919 7689,5989 ; U13.14@7746,6874 7746,6891 7764,6909 C34.2@7829.04,6909 ; C18.2@8089,5804 8089,5984 8094,5989 ; C17.2@8489,5804 U4.8@8489,5919 8489,5969 8469,5989 8094,5989 ; R32.1@8780.18,7634 8780.18,7680.18 8809,7709 v1(8839,7709) ; C11.2@9533.41,6999 9533.41,7073.41 9574,7114 9826.28,7114 9889,7176.72 9889,7568.96 R38.1@9823.96,7634 R38.1@9823.96,7634 v1(9824,7674) ; 7689,5989 8094,5989
  Top Layer w30: 5504,5816.8 v2(5504,6704) ; v2(5504,6999) 5504,7119 v2(5504,7164)
  Top Layer w40: C3.2@5439,5816.8 5581.2,5816.8 5824,5574 5824,5234 5969,5089 8289,5089 8739,5539 8739,5924 ; BBB.9_5@8138.5,5585 8141,5587.5 BBB.9_6@8141,5685 ; U4.8@8489,5919 8494,5924 8739,5924 ; UP1.3@9533.41,6701.12 C11.2@9533.41,6999 ; C12.1@9534,6839 8989.04,6839 8739,6588.96 8739,5924
  Bottom Layer w15: R79.1@7444,6939 7441,6936 7441,6854 7466,6829 7654,6829 7814,6829 7851.63,6866.63 R82.1@7851.63,6892.05 7877.05,6892.05 7904,6919 v1(7904,6964) 7904,6983.04 7846.5,7040.54 7846.5,7056.5 7822.44,7080.56 R81.1@7780.57,7080.56 ; v2@7444,7414 7459,7429 7625.16,7429 v1@7684,7370.16 ; v1@7694,7370.16 7837.84,7370.16 7849,7359 R85.1@7849,7333.96 7883.96,7333.96 7904,7313.92 7904,7209.5 7834.79,7140.29 R84.1@7781.49,7140.29
  Bottom Layer w20: C21.2@5504,7119 C21.2@5504,7124 v2(5504,7164) ; v2(5927.83,7164) 5929,7162.83 C22.2@5929,7124 ; C23.2@6354,7124 v2(6354,7164) ; C24.2@6779,7119 C24.2@6779,7124 v2(6779,7164) ; R78.1@7513.5,7129.82 R77.1@7513.5,7193.54 ; 7654,6829 7654,6599 7724,6529 8724,6529 v2(8739,6514) ; R81.1@7780.57,7080.56 7781.49,7081.48 R84.1@7781.49,7140.29 ; v1(8839,7709) 8894,7709 v1(8929,7674) v1(9078.92,7674) v1(9224,7674) v1(9374,7674) v1(9529,7674) v1(9674,7674) v1(9824,7674)
  Bottom Layer w30: v2(5504,6704) v2(5504,6999)
  Bottom Layer w40: BBB.9_5@8138.5,5585 8138.5,5682.5 BBB.9_6@8141,5685 8141,5806 8259,5924 v2(8674,5924)
  other v1: 7781.49,7109 7494,7159 7694,7379
  other v2: 8574,5924 8624,5924
VDD_ADC: BBB.9_32
pads on no net: BBB.H1 BBB.H2 BBB.H3 BBB.H4 J2.6 J2.8 J2.10 J2.12 P2.9 U2.7 U2.8 U2.9 U2.10 U13.5 U13.6 U13.8 U13.9

## Polygon pours and split planes (outlines as drawn)
DGND on Top Layer "Top Layer-GND" (solid, pour order 20): 10345,5050 4480,5050 4480,8120 10345,8120
VDD_5V on Top Layer "Top Layer-5V" (solid, pour order 12): 5474,5799 4994,5799 4994,5899 5204.04,5899 5319,5974 5319,6126.2 5319,6474 5319,6354 5214,6544 5214,6764 5259,6764 5259,6639 5279,6614 5359,6584 5359,6509 5434,6354 5434,5974 5474,5899
NetD3_2 on Top Layer "Top Layer-D3_2" (solid, pour order 16): 5079,6649 5044,6609 4929,6389 4929,6124 5044,6124 5044,6354 5126.5,6534 5126.5,6629 5126.5,6764 5079,6764
24V on Top Layer "Top Layer-24V" (solid, pour order 14): 5054,6654 4919,6654 4919,6774 4844,6849 4844,6924 4843.33,6924.67 4844,7614 4804,7713.33 4804,7949 4919,7949 4919,7764 4951.5,7656.5 5124,7594 5124,7504 4944,7434 4944,6904 5054,6794
DGND on Bottom Layer "Bottom Layer-GND" (solid, pour order 18): 10344,5049 4479,5049 4479,8119 10344,8119

## Keep-outs
Keep-Out Layer:
  the board outline again, w15

## Other copper
Top Layer:
  pour cut-out: 5230,6500 5120,6500 5050,6340 5050,6120 4919.61,6120 4919.61,5975 5310,5975 5310,5985 5310,6350

## Silkscreen, mask and mechanical layers (free items; w line width, h text height)
Top Solder:
  lines w15: 5550,6215 6538.5,6215 6538.5,6600 5550,6600 5550,6215
  text "Designe:MHN" at 5594,6510 h25
  text "Beagle PLC V-1.0" at 5595,6380 h25
  text "2021/08/12" at 5595,6255 h25

## Text inside footprints (layer, text, board x,y; h text height)
C2: Top Overlay "+" at 4946.72,7568.69 h25 r180
C3: Top Overlay "+" at 5458.69,5911.28 h25 r90
C4: Top Overlay "+" at 5051.69,5911.28 h25 r90
C11: Top Overlay "+" at 9470.42,7018.69 h25 r180
C14: Top Overlay "+" at 9721.95,6169.31 h25
P1: Top Overlay "1" at 9600,5364.2 h25 r180; Top Overlay "5" at 8965,5364.2 h25 r180; Top Overlay "9" at 9127.8,5157.9 h25 r180; Top Overlay "6" at 9454.57,5157.9 h25 r180
P2: Top Overlay "1" at 6480,5364.2 h25 r180; Top Overlay "5" at 5845,5364.2 h25 r180; Top Overlay "9" at 6007.8,5157.9 h25 r180; Top Overlay "6" at 6334.57,5157.9 h25 r180
P3: Top Overlay "6" at 9089.43,8008.1 h25; Top Overlay "9" at 9416.2,8008.1 h25; Top Overlay "5" at 9579,7801.8 h25; Top Overlay "1" at 8944,7801.8 h25
P4: Top Overlay "1" at 8040,5364.2 h25 r180; Top Overlay "5" at 7405,5364.2 h25 r180; Top Overlay "9" at 7567.8,5157.9 h25 r180; Top Overlay "6" at 7894.57,5157.9 h25 r180
P5: Top Overlay "6" at 5969.43,8008.1 h25; Top Overlay "9" at 6296.2,8008.1 h25; Top Overlay "5" at 6459,7801.8 h25; Top Overlay "1" at 5824,7801.8 h25
P6: Top Overlay "1" at 7384,7801.8 h25; Top Overlay "5" at 8019,7801.8 h25; Top Overlay "9" at 7856.2,8008.1 h25; Top Overlay "6" at 7529.43,8008.1 h25
T1: Top Overlay "1" at 5273.26,8239.48 h25 r180; Top Overlay "2" at 5083.26,8239.48 h25 r180